# Altium PCB DM1097_R0M0E0.PcbDoc (part 2 of 7) (continued)
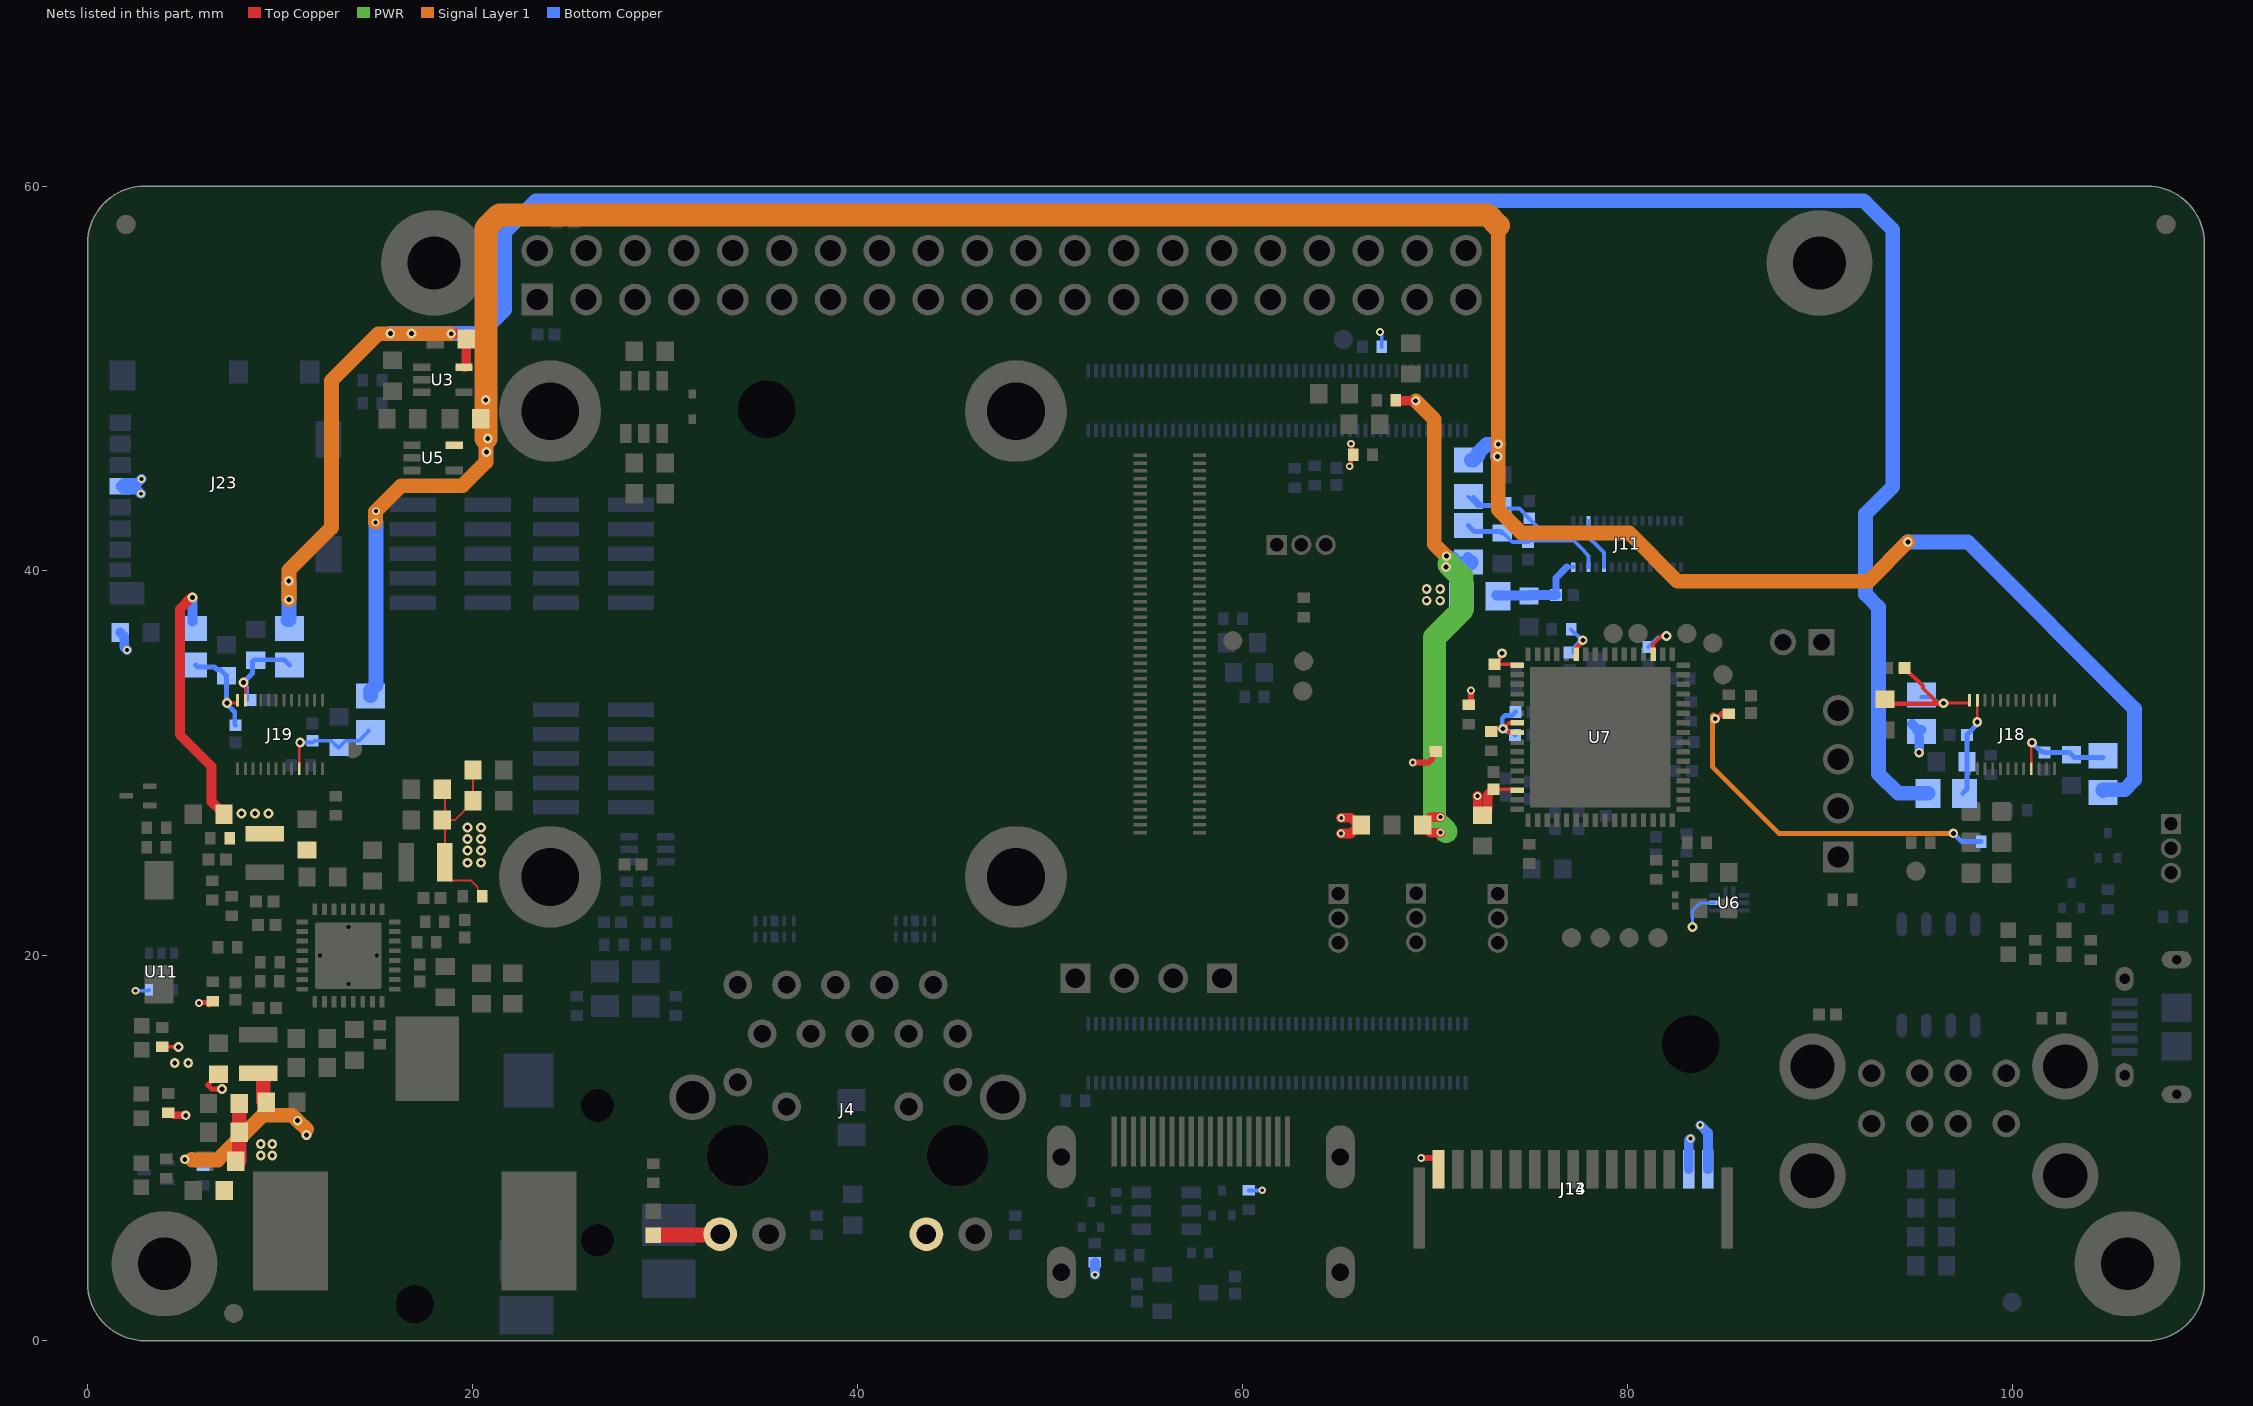
[diagram p6: the nets of this part, all layers, seen from the top]
## Part data (continued)
TP1 TP2 TP3 TP4 TP5 TP6 TP7 TP8 TP9 TP10 TP11 TP12 TP13 TP14 TP15: library part TEST_POINT
U1: "LOAD SWITCH SC59", Case/Package=TO-236-3, Current=200mA, Manufacturer 1=Diodes, Max Operating Temperature=85°C, Max Supply Voltage=5.2V, Min Operating Temperature=-40°C, Min Supply Voltage=2.7V, On-State Resistance=350mR, Package Quantity=3000, Supplier Part Number 1=AP2331W-7DICT-ND, ComponentLink1Description=https://datasheet.ciiva.com/18567/ap2331-18567929.pdf?src-supplier=Digi-Key, ComponentLink1URL=https://datasheet.ciiva.com/18567/ap2331-18567929.pdf?src-supplier=Digi-Key, ComponentLink2Description=https://datasheet.ciiva.com/18567/ap2331-18567928.pdf?src-supplier=Digi-Key, ComponentLink2URL=https://datasheet.ciiva.com/18567/ap2331-18567928.pdf?src-supplier=Digi-Key, ComponentLink3Description=https://datasheet.ciiva.com/18567/ap2331-18567930.pdf?src-supplier=Digi-Key, ComponentLink3URL=https://datasheet.ciiva.com/18567/ap2331-18567930.pdf?src-supplier=Digi-Key, Fault Protection="Over Temperature,Reverse Current", Height=1.3mm, Interface=On/Off, Length=3.1mm, Manufacturer Part Number 1=AP2331W-7, Max Output Current=200mA, Mount="Surface Mount", Number of Outputs=1, Number of Pins=59, Output Configuration="High Side", Output Current=200mA, Packaging="Tape and Reel", Pricing 1="1=0.40000, 10=0.34100, 100=0.23660, 500=0.19110, 1000=0.14105 (USD)", Radiation Hardening=No, REACH SVHC="No SVHC", RoHS=Yes, Stock 1=5467, Supplier 1=Digi-Key, Supplier 2=Mouser, Supplier 3=Arrow, Supplier Part Number 2=621-AP2331W-7, Supplier Part Number 3=AP2331W-7, Turn-On Delay Time=700us, Voltage=5.2V, Width=1.7mm
U2: library part NUP4114, "TVS DIODE 3VWM 9WLCSP", Manufacturer 1=OnSemi, Manufacturer Part Number 1=NUP4114HMR6T1G
U3: "IC REG LINEAR 1.2V 200MA SC70-5", Case/Package=SC, Dropout Voltage=175mV, Manufacturer 1="Texas Instruments", Manufacturer Part Number 1=TLV70012DCKR, Manufacturer Part Number 2=TLV70012DCKT, Max Input Voltage=5.5V, Max Operating Temperature=125°C, Max Output Current=200mA, Max Output Voltage=1.2V, Max Power Dissipation=320mW, Min Current Limit=220mA, Min Input Voltage=2V, Min Operating Temperature=-40°C, Output Voltage Accuracy=2%, Package Quantity=1, Quiescent Current=30uA, Supplier Part Number 1=296-27438-1-ND, Accuracy=2%, ComponentLink1Description=https://datasheet.ciiva.com/26909/tlv70012dckr-26909420.pdf?src-supplier=IIIC, ComponentLink1URL=https://datasheet.ciiva.com/26909/tlv70012dckr-26909420.pdf?src-supplier=IIIC, ComponentLink2Description=https://datasheet.ciiva.com/46448/1836520-46448747.pdf?src-supplier=Element14, ComponentLink2URL=https://datasheet.ciiva.com/46448/1836520-46448747.pdf?src-supplier=Element14, ComponentLink3Description=http://components.arrow.com/part/dataview/48874348S9524109N7713?src-supplier=Arrow, ComponentLink3URL=http://components.arrow.com/part/dataview/48874348S9524109N7713?src-supplier=Arrow, ComponentLink4Description=http://components.arrow.com/part/dataview/0323_02210905?src-supplier=Arrow+Europe, ComponentLink4URL=http://components.arrow.com/part/dataview/0323_02210905?src-supplier=Arrow+Europe, ComponentLink5Description=http://www.ti.com/general/docs/lit/getliterature.tsp?genericPartNumber=TLV700&&fileType=pdf&src-supplier=Avnet, ComponentLink5URL=http://www.ti.com/general/docs/lit/getliterature.tsp?genericPartNumber=TLV700&&fileType=pdf&src-supplier=Avnet, ComponentLink6Description=http://focus.ti.com/lit/ds/symlink/tlv70033.pdf?src-supplier=Avnet, ComponentLink6URL=http://focus.ti.com/lit/ds/symlink/tlv70033.pdf?src-supplier=Avnet, ComponentLink7Description=http://www.ti.com/lit/ds/slvsa00e/slvsa00e.pdf?src-supplier=Digi-Key, ComponentLink7URL=http://www.ti.com/lit/ds/slvsa00e/slvsa00e.pdf?src-supplier=Digi-Key, ComponentLink8Description=http://www.ti.com/litv/slvsa00d?src-supplier=Mouser, ComponentLink8URL=http://www.ti.com/litv/slvsa00d?src-supplier=Mouser, Contact Plating=Gold, Lead Free="Lead Free", Manufacturer 2="Texas Instruments", Min Output Voltage=1.2V, Nominal Output Voltage=1.2V, Number of Outputs=1, Number of Pins=5, Number of Regulators=1, Output Current=200mA, Output Type=Fixed, Output Voltage=1.2V, Packaging="Tape and Reel", Polarity=Positive, Power Dissipation=320mW, Pricing 1="1=0.48000, 10=0.40900, 100=0.30570, 500=0.24020, 1000=0.18561 (USD)", Pricing 2="1=0.43000, 10=0.38000, 25=0.35000, 100=0.30000, 250=0.27000, 500=0.21000, 750=0.16000, 1000=0.14000 (USD)", Radiation Hardening=No, REACH SVHC="No SVHC", RoHS=Yes, Stock 1=8389, Stock 2=250, Supplier 1=Digi-Key, Supplier 2="TI store", Supplier Part Number 2=TLV70012DCKT
U4: "IC REG BCK ADJ 3A/2A TRPL 32VQFN Buck Switching Regulator IC Positive Adjustable 0.6V 3 Output 3A, 2A 32-VFQFN Exposed Pad", Case/Package=VQFN, Current - Output 1=3A, Current - Output 2=2A, Manufacturer=TI, Manufacturer 1="Texas Instruments", Manufacturer PN=TPS65266, Max Input Voltage=6.5V, Max Operating Temperature=85°C, Min Input Voltage=2.7V, Min Operating Temperature=-40°C, Min Output Voltage=600mV, Package=32-VQFN, Package Quantity=250, Quiescent Current=340uA, Supplier Part Number 1=296-38685-1-ND, Switching Frequency=2.4MHz, ComponentLink1Description=http://www.ti.com/general/docs/lit/getliterature.tsp?genericPartNumber=TPS65266&&fileType=pdf&src-supplier=Element14, ComponentLink1URL=http://www.ti.com/general/docs/lit/getliterature.tsp?genericPartNumber=TPS65266&&fileType=pdf&src-supplier=Element14, ComponentLink2Description=http://www.ti.com/general/docs/lit/getliterature.tsp?genericPartNumber=TPS65266&amp;&amp;fileType=pdf&src-supplier=Farnell, ComponentLink2URL=http://www.ti.com/general/docs/lit/getliterature.tsp?genericPartNumber=TPS65266&amp;&amp;fileType=pdf&src-supplier=Farnell, ComponentLink3Description=http://www.ti.com/general/docs/lit/getliterature.tsp?genericPartNumber=TPS65266&&fileType=pdf&src-supplier=Farnell, ComponentLink3URL=http://www.ti.com/general/docs/lit/getliterature.tsp?genericPartNumber=TPS65266&&fileType=pdf&src-supplier=Farnell, ComponentLink4Description=http://www.ti.com/lit/ds/symlink/tps65266.pdf?src-supplier=Digi-Key, ComponentLink4URL=http://www.ti.com/lit/ds/symlink/tps65266.pdf?src-supplier=Digi-Key, ComponentLink5Description=http://www.ti.com/lit/gpn/tps65266?src-supplier=Mouser, ComponentLink5URL=http://www.ti.com/lit/gpn/tps65266?src-supplier=Mouser, ComponentLink6Description=http://www.ti.com/general/docs/lit/getliterature.tsp?genericPartNumber=TPS65266&&fileType=pdf&src-supplier=Avnet, ComponentLink6URL=http://www.ti.com/general/docs/lit/getliterature.tsp?genericPartNumber=TPS65266&&fileType=pdf&src-supplier=Avnet, Lead Free="Lead Free", Manufacturer Part Number 1=TPS65266RHBT, Max Output Voltage=6.5V, Mount="Surface Mount", Number of Outputs=3, Number of Pins=32, Operating Supply Voltage=6.5V, Output Configuration=Positive, Output Current=2A, Output Type=Adjustable, Packaging="Tape and Reel", Pricing 1="1=4.01000, 10=3.59900, 100=2.94850 (USD)", REACH SVHC="No SVHC", RoHS=Yes, Stock 1=4557, Supplier 1=Digi-Key, Supplier 2="TI store", Supplier 3=Mouser, Supplier Part Number 2=TPS65266RHBT, Supplier Part Number 3=595-TPS65266RHBT, Synchronous Rectifier=Yes, Weight=0.002547oz
U5: "IC REG LINEAR 2.8V 200MA SC70-5 Linear Voltage Regulator IC  1 Output  200mA SC-70-5", Case/Package=SC, Dropout Voltage=175mV, Manufacturer 1="Texas Instruments", Manufacturer Part Number 1=TLV70028DCKT, Manufacturer Part Number 2=TLV70028DCKR, Max Input Voltage=5.5V, Max Operating Temperature=125°C, Max Output Current=200mA, Max Output Voltage=2.8V, Max Power Dissipation=320mW, Min Current Limit=220mA, Min Input Voltage=2V, Min Operating Temperature=-40°C, Nominal Supply Current=31uA, Output Voltage Accuracy=2%, Package Quantity=1, Quiescent Current=30uA, Supplier Part Number 1=296-25271-1-ND, Accuracy=2%, ComponentLink1Description=https://datasheet.ciiva.com/14149/tlv700-eng-ds-14149840.pdf?src-supplier=Distrelec, ComponentLink1URL=https://datasheet.ciiva.com/14149/tlv700-eng-ds-14149840.pdf?src-supplier=Distrelec, ComponentLink2Description=https://datasheet.ciiva.com/22700/1882059-22700172.pdf?src-supplier=Element14, ComponentLink2URL=https://datasheet.ciiva.com/22700/1882059-22700172.pdf?src-supplier=Element14, ComponentLink3Description=http://components.arrow.com/part/dataview/0323_00585634?src-supplier=Arrow+Europe, ComponentLink3URL=http://components.arrow.com/part/dataview/0323_00585634?src-supplier=Arrow+Europe, ComponentLink4Description=http://focus.ti.com/lit/ds/symlink/tlv70033.pdf?src-supplier=Avnet+Europe, ComponentLink4URL=http://focus.ti.com/lit/ds/symlink/tlv70033.pdf?src-supplier=Avnet+Europe, ComponentLink5Description=http://www.ti.com/lit/ds/slvsa00d/slvsa00d.pdf?src-supplier=Digi-Key, ComponentLink5URL=http://www.ti.com/lit/ds/slvsa00d/slvsa00d.pdf?src-supplier=Digi-Key, ComponentLink6Description=http://www.ti.com/lit/pdf/slyy050?src-supplier=Digi-Key, ComponentLink6URL=http://www.ti.com/lit/pdf/slyy050?src-supplier=Digi-Key, ComponentLink7Description=http://www.ti.com/general/docs/lit/getliterature.tsp?genericPartNumber=TLV700&&fileType=pdf&src-supplier=Avnet+Asia, ComponentLink7URL=http://www.ti.com/general/docs/lit/getliterature.tsp?genericPartNumber=TLV700&&fileType=pdf&src-supplier=Avnet+Asia, ComponentLink8Description=http://www.ti.com/general/docs/lit/getliterature.tsp?genericPartNumber=TLV700&&fileType=pdf&src-supplier=Avnet, ComponentLink8URL=http://www.ti.com/general/docs/lit/getliterature.tsp?genericPartNumber=TLV700&&fileType=pdf&src-supplier=Avnet, ComponentLink9Description=http://components.arrow.com/part/dataview/48329233S8322732N7713?src-supplier=Arrow, ComponentLink9URL=http://components.arrow.com/part/dataview/48329233S8322732N7713?src-supplier=Arrow, ComponentLink10Description=http://www.ti.com/litv/slvsa00d?src-supplier=Mouser, ComponentLink10URL=http://www.ti.com/litv/slvsa00d?src-supplier=Mouser, ComponentLink11Description=http://www.ti.com/lit/ds/slvsa00e/slvsa00e.pdf?src-supplier=Digi-Key, ComponentLink11URL=http://www.ti.com/lit/ds/slvsa00e/slvsa00e.pdf?src-supplier=Digi-Key, Contact Plating=Gold, Height=1mm, Lead Free="Lead Free", Length=2.15mm, Manufacturer 2="Texas Instruments", Max Supply Voltage=5.5V, Min Output Voltage=2.8V, Min Supply Voltage=2V, Nominal Output Voltage=2.8V, Number of Outputs=1, Number of Pins=5, Number of Regulators=1, Output Current=200mA, Output Type=Fixed, Output Voltage=2.8V, Packaging="Tape and Reel", Polarity=Positive, Power Dissipation=320mW, Power Rating=320mW, Pricing 1="1=0.55000, 10=0.46700, 100=0.34900 (USD)", Pricing 2="1=0.48000, 10=0.40900, 100=0.30570, 500=0.24020, 1000=0.18561 (USD)", Radiation Hardening=No, REACH SVHC="No SVHC", RoHS=Yes, Stock 1=832, Stock 2=30013, Supplier 1=Digi-Key, Supplier 2=Digi-Key, Supplier Part Number 2=296-39279-1-ND, Termination=SMD/SMT, Width=1.4mm
U6: library part FSUSB42UMX, "IC USB SWITCH DPDT 10UMLP", Manufacturer 1="ON Semiconductor / Fairchild", Max Operating Temperature=85°C, Max Supply Voltage=4.3V, Min Operating Temperature=-40°C, Min Supply Voltage=3V, Nominal Supply Current=1uA, On-State Resistance=6.5R, Output Current=100mA, Package Quantity=1, Supplier Part Number 1=FSUSB42UMXCT-ND, Bandwidth=720MHz, ComponentLink1Description=https://datasheet.ciiva.com/15108/getdatasheetpartid-189033-15108996.pdf?src-supplier=Verical, ComponentLink1URL=https://datasheet.ciiva.com/15108/getdatasheetpartid-189033-15108996.pdf?src-supplier=Verical, ComponentLink2Description=https://datasheet.ciiva.com/1504/1815547-1504946.pdf?src-supplier=Element14, ComponentLink2URL=https://datasheet.ciiva.com/1504/1815547-1504946.pdf?src-supplier=Element14, ComponentLink3Description=https://datasheet.ciiva.com/26074/fsusb42-26074741.pdf?src-supplier=Avnet+Europe, ComponentLink3URL=https://datasheet.ciiva.com/26074/fsusb42-26074741.pdf?src-supplier=Avnet+Europe, ComponentLink4Description=https://datasheet.ciiva.com/1561/fsusb42-1561415.pdf?src-supplier=Farnell, ComponentLink4URL=https://datasheet.ciiva.com/1561/fsusb42-1561415.pdf?src-supplier=Farnell, ComponentLink5Description=https://datasheet.ciiva.com/3233/fsusb42-3233259.pdf?src-supplier=Avnet, ComponentLink5URL=https://datasheet.ciiva.com/3233/fsusb42-3233259.pdf?src-supplier=Avnet, ComponentLink6Description=https://datasheet.ciiva.com/6638/fsusb42-6638604.pdf?src-supplier=Digi-Key, ComponentLink6URL=https://datasheet.ciiva.com/6638/fsusb42-6638604.pdf?src-supplier=Digi-Key, ComponentLink7Description=https://datasheet.ciiva.com/6638/fsusb42-6638607.pdf?src-supplier=Digi-Key, ComponentLink7URL=https://datasheet.ciiva.com/6638/fsusb42-6638607.pdf?src-supplier=Digi-Key, Data Rate=480Mbps, Height=0.5mm, Lead Free="Lead Free", Length=1.4mm, Manufacturer Part Number 1=FSUSB42UMX, Mount="Surface Mount", Number of Channels=1, Number of Inputs=2, Number of Outputs=2, Number of Pins=10, Number of Ports=2, Operating Supply Voltage=4.3V, Packaging="Tape and Reel", Pricing 1="1=0.59000, 10=0.50200, 100=0.34810, 500=0.28120, 1000=0.20755 (USD)", Propagation Delay=0.25ns, Radiation Hardening=No, REACH SVHC="No SVHC", RoHS=Yes, Stock 1=31151, Supplier 1=Digi-Key, Supplier 2=Mouser, Supplier 3=Arrow, Supplier 4=Farnell, Supplier Part Number 2=512-FSUSB42UMX, Supplier Part Number 3=FSUSB42UMX, Supplier Part Number 4=1495467, Supply Type=Single, Termination=SMD/SMT, Throw Configuration=DPDT, Turn-Off Delay Time=25ns, Turn-On Delay Time=30ns, Weight=18.08g, Width=1.8mm
U7: "IC USB 2.0 ETHER CTRLR 64QFN Ethernet Bridge, USB to Ethernet USB 2.0, 10/100 Base-T/TX PHY USB Interface 64-QFN (9x9)", Case/Package=QFN, Manufacturer 1=Microchip, Max Operating Temperature=70°C, Max Power Dissipation=951mW, Max Supply Voltage=3.6V, Min Operating Temperature=0°C, Min Supply Voltage=3V, Operating Supply Current=288mA, Operating Supply Voltage=3.3V, Package Quantity=260, Supplier Part Number 1=638-1087-ND, ComponentLink1Description="Manufacturer URL", ComponentLink1URL=www.microchip.com/, ComponentLink2Description=Datasheet, ComponentLink2URL=http://ww1.microchip.com/downloads/en/DeviceDoc/9514.pdf, ComponentLink3Description="Package Specification", ComponentLink3URL=http://ww1.microchip.com/downloads/en/DeviceDoc/9514.pdf, ComponentLink4Description=https://datasheet.ciiva.com/30478/0900766b811a553b-30478372.pdf?src-supplier=RSComponents, ComponentLink4URL=https://datasheet.ciiva.com/30478/0900766b811a553b-30478372.pdf?src-supplier=RSComponents, ComponentLink5Description=https://datasheet.ciiva.com/16372/lan9514-jzx-16372060.pdf?src-supplier=Future+Electronics, ComponentLink5URL=https://datasheet.ciiva.com/16372/lan9514-jzx-16372060.pdf?src-supplier=Future+Electronics, ComponentLink6Description=https://datasheet.ciiva.com/22656/1686386-22656488.pdf?src-supplier=Element14, ComponentLink6URL=https://datasheet.ciiva.com/22656/1686386-22656488.pdf?src-supplier=Element14, ComponentLink7Description=https://datasheet.ciiva.com/29305/651385-da-01-en-ic-e-ctrlr-lan9514-jzx-qfn-64-9x9-mcp-29305397.pdf?src-supplier=Conrad, ComponentLink7URL=https://datasheet.ciiva.com/29305/651385-da-01-en-ic-e-ctrlr-lan9514-jzx-qfn-64-9x9-mcp-29305397.pdf?src-supplier=Conrad, Contact Plating=Tin,Matte, Data Rate=1.5Mbps, Height=0.95mm, Interface=USB, Lead Free="Lead Free", Length=9.1mm, Manufacturer Part Number 1=LAN9514-JZX, Number of Pins=64, Number of Ports=5, Packaging=Tray, Pricing 1="1=5.71000, 25=4.75880, 100=4.32600 (USD)", Radiation Hardening=No, REACH SVHC="No SVHC", RoHS=Yes, Stock 1=4064, Supplier 1=Digi-Key, Supplier 2=Mouser, Supplier Part Number 2=886-LAN9514-JZX, Weight=0.007277oz, Width=9.1mm
U8: "IC PW DIST SW DUAL 8SOIC Power Switch/Driver 1:2 N-Channel 500mA 8-SOIC", Case/Package=SOIC, Current Rating=1.25A, Drain to Source Resistance=140mR, Manufacturer=Micrel, Manufacturer 1="Microchip Micrel", Maximum Operating Temperature=+85C, Max Input Voltage=5.5V, Max Operating Temperature=85°C, Max Output Current=500mA, Minimum Operating Temperature=-40C, Min Input Voltage=2.7V, Min Operating Temperature=-40°C, Nominal Supply Current=5uA, On-State Resistance=90mR, On Resistance (Max)=140mOhms, Operating Temperature Range=-40Cto+85C, Package / Case=SOIC-8, Package Description="8-Pin Small Outline Integrated Circuit, Body 4.89 x 3.9 mm, Pitch 1.27 mm", Package Quantity=95, Supplier Part Number 1=576-2137-ND, Supply Current=20uA, Brand=Micrel, ComponentLink1Description=https://datasheet.ciiva.com/15108/getdatasheetpartid-144496-15108418.pdf?src-supplier=Verical, ComponentLink1URL=https://datasheet.ciiva.com/15108/getdatasheetpartid-144496-15108418.pdf?src-supplier=Verical, ComponentLink2Description=https://datasheet.ciiva.com/1962/mic2026-1962595.pdf?src-supplier=Digi-Key, ComponentLink2URL=https://datasheet.ciiva.com/1962/mic2026-1962595.pdf?src-supplier=Digi-Key, ComponentLink3Description=https://datasheet.ciiva.com/1512/29485-1512781.pdf?src-supplier=Element14, ComponentLink3URL=https://datasheet.ciiva.com/1512/29485-1512781.pdf?src-supplier=Element14, Datasheet URL=http://ww1.microchip.com/downloads/en/DeviceDoc/mic2026.pdf, Datasheet Version=06/2010, Factory Pack Quantity=95, Fault Protection="Over Temperature", Height=1.63mm, Interface=On/Off, Lead Free="Lead Free", Length=5mm, Manufacturer Part Number 1=MIC2026-1YM, Manufacturer URL=http://www.microchip.com/, Max Supply Voltage=5.5V, Min Supply Voltage=2.7V, Mount="Surface Mount", Mounting Style=SMD/SMT, Mounting Technology=SurfaceMount, Number of Channels=2, Number of Outputs=2, Number of Pins=8, Number of Switches=Dual, Off Time (Max)=100us, Off Time - Max=100us, On Resistance - Max=140mOhms, On Time (Max)=5ms, On Time - Max=5ms, Output Configuration="High Side", Package Reference=SOIC-8, Packaging=Tube, Pricing 1="1=1.03000, 25=0.86520, 100=0.78280 (USD)", Product Category=USBSwitchICs, Radiation Hardening=No, REACH SVHC="No SVHC", RoHS=Details, Series=MIC2026, Stock 1=3907, Supplier 1=Digi-Key, Supplier 2=Mouser, Supplier Part Number 2=998-MIC2026-1YM, Supply Voltage - Max=5.5V, Supply Voltage - Min=2.7V, Switch Configuration=USBSwitch, Turn-Off Delay Time=100us, Turn-On Delay Time=5ms, Width=3.99mm
U9: "IC BUF NON-INVERT 5.5V SC70-6 Buffer, Non-Inverting 2 Element 1 Bit per Element Push-Pull Output SC-88 (SC-70-6)", Case/Package=SC, High Level Output Current=-32mA, Low Level Output Current=32mA, Manufacturer 1="ON Semiconductor / Fairchild", Max Operating Temperature=125°C, Max Power Dissipation=180mW, Max Supply Voltage=5.5V, Min Operating Temperature=-40°C, Min Supply Voltage=1.65V, Package Quantity=3000, Quiescent Current=1uA, Supplier Part Number 1=NC7WZ16P6XCT-ND, ComponentLink1Description=https://datasheet.ciiva.com/5701/1725615-5701889.pdf?src-supplier=Farnell, ComponentLink1URL=https://datasheet.ciiva.com/5701/1725615-5701889.pdf?src-supplier=Farnell, ComponentLink2Description=https://datasheet.ciiva.com/15094/getdatasheetpartid-92041-15094657.pdf?src-supplier=Verical, ComponentLink2URL=https://datasheet.ciiva.com/15094/getdatasheetpartid-92041-15094657.pdf?src-supplier=Verical, ComponentLink3Description=https://datasheet.ciiva.com/27051/1028128-27051265.pdf?src-supplier=Jameco, ComponentLink3URL=https://datasheet.ciiva.com/27051/1028128-27051265.pdf?src-supplier=Jameco, ComponentLink4Description=https://datasheet.ciiva.com/8260/nc7wz16-8260101.pdf?src-supplier=Avnet, ComponentLink4URL=https://datasheet.ciiva.com/8260/nc7wz16-8260101.pdf?src-supplier=Avnet, ComponentLink5Description=https://datasheet.ciiva.com/17332/nc7wz16-17332853.pdf?src-supplier=Future+Electronics, ComponentLink5URL=https://datasheet.ciiva.com/17332/nc7wz16-17332853.pdf?src-supplier=Future+Electronics, ComponentLink6Description=https://datasheet.ciiva.com/8260/nc7wz16-8260105.pdf?src-supplier=Avnet, ComponentLink6URL=https://datasheet.ciiva.com/8260/nc7wz16-8260105.pdf?src-supplier=Avnet, ComponentLink7Description=https://datasheet.ciiva.com/26096/nc7wz16-26096508.pdf?src-supplier=Avnet+Europe, ComponentLink7URL=https://datasheet.ciiva.com/26096/nc7wz16-26096508.pdf?src-supplier=Avnet+Europe, ComponentLink8Description=https://datasheet.ciiva.com/1832/nc7wz16-1832237.pdf?src-supplier=Digi-Key, ComponentLink8URL=https://datasheet.ciiva.com/1832/nc7wz16-1832237.pdf?src-supplier=Digi-Key, ComponentLink9Description=https://datasheet.ciiva.com/7971/1725615-7971037.pdf?src-supplier=Element14, ComponentLink9URL=https://datasheet.ciiva.com/7971/1725615-7971037.pdf?src-supplier=Element14, ComponentLink10Description=https://datasheet.ciiva.com/1832/nc7wz16-1832238.pdf?src-supplier=Digi-Key, ComponentLink10URL=https://datasheet.ciiva.com/1832/nc7wz16-1832238.pdf?src-supplier=Digi-Key, ComponentLink11Description=https://datasheet.ciiva.com/1832/nc7wz16-1832239.pdf?src-supplier=Digi-Key, ComponentLink11URL=https://datasheet.ciiva.com/1832/nc7wz16-1832239.pdf?src-supplier=Digi-Key, Contact Plating=Tin,Matte, Height=1mm, Lead Free="Lead Free", Length=2mm, Logic Function=Buffer,Inverting, Manufacturer Part Number 1=NC7WZ16P6X, Mount="Surface Mount", Number of Bits=2, Number of Bits per Element=1, Number of Channels=2, Number of Circuits=2, Number of Elements=2, Number of Input Lines=2, Number of Inputs=2, Number of Output Lines=2, Number of Outputs=2, Number of Pins=6, Packaging="Tape and Reel", Polarity=Non-Inverting, Pricing 1="1=0.44000, 10=0.32600, 100=0.18480, 500=0.12238, 1000=0.09382 (USD)", Propagation Delay=3.8ns, Radiation Hardening=No, REACH SVHC="No SVHC", RoHS=Yes, Stock 1=89814, Supplier 1=Digi-Key, Termination=SMD/SMT, Turn-On Delay Time=10.6ns, Weight=0.028g, Width=1.25mm
U10: "Padauk 8bit OTP Type IO Controller - (SOT-23-6)"
U11: "SINGLE BUFFER/DRIVER WITH OPEN DRAIN OUTPUT", Manufacturer 1="Diodes Incorporated", ComponentLink1Description=https://datasheet.ciiva.com/5701/1725615-5701889.pdf?src-supplier=Farnell, ComponentLink1URL=https://datasheet.ciiva.com/5701/1725615-5701889.pdf?src-supplier=Farnell, ComponentLink2Description=https://datasheet.ciiva.com/15094/getdatasheetpartid-92041-15094657.pdf?src-supplier=Verical, ComponentLink2URL=https://datasheet.ciiva.com/15094/getdatasheetpartid-92041-15094657.pdf?src-supplier=Verical, ComponentLink3Description=https://datasheet.ciiva.com/27051/1028128-27051265.pdf?src-supplier=Jameco, ComponentLink3URL=https://datasheet.ciiva.com/27051/1028128-27051265.pdf?src-supplier=Jameco, ComponentLink4Description=https://datasheet.ciiva.com/8260/nc7wz16-8260101.pdf?src-supplier=Avnet, ComponentLink4URL=https://datasheet.ciiva.com/8260/nc7wz16-8260101.pdf?src-supplier=Avnet, ComponentLink5Description=https://datasheet.ciiva.com/17332/nc7wz16-17332853.pdf?src-supplier=Future+Electronics, ComponentLink5URL=https://datasheet.ciiva.com/17332/nc7wz16-17332853.pdf?src-supplier=Future+Electronics, ComponentLink6Description=https://datasheet.ciiva.com/8260/nc7wz16-8260105.pdf?src-supplier=Avnet, ComponentLink6URL=https://datasheet.ciiva.com/8260/nc7wz16-8260105.pdf?src-supplier=Avnet, ComponentLink7Description=https://datasheet.ciiva.com/26096/nc7wz16-26096508.pdf?src-supplier=Avnet+Europe, ComponentLink7URL=https://datasheet.ciiva.com/26096/nc7wz16-26096508.pdf?src-supplier=Avnet+Europe, Manufacturer Part Number 1=74LVC1G07SE-7, Supplier 1=Digi-Key
X1: library part 8Z-25.000MAAJ-T, "CRYSTAL 25.0000MHZ 18PF SMD", Case/Package=SMD/SMT, ESR (Equivalent Series Resistance)=100R, Frequency=25MHz, Frequency Stability=30ppm, Load Capacitance=18pF, Manufacturer 1=TXC, Max Operating Temperature=70°C, Min Operating Temperature=-10°C, Package Quantity=3000, Supplier Part Number 1=887-1145-1-ND, ComponentLink1Description=https://datasheet.ciiva.com/26833/getdatasheetpartid-743023-26833236.pdf?src-supplier=Verical, ComponentLink1URL=https://datasheet.ciiva.com/26833/getdatasheetpartid-743023-26833236.pdf?src-supplier=Verical, ComponentLink2Description=https://datasheet.ciiva.com/22698/1041872-22698773.pdf?src-supplier=Element14, ComponentLink2URL=https://datasheet.ciiva.com/22698/1041872-22698773.pdf?src-supplier=Element14, ComponentLink3Description=https://datasheet.ciiva.com/1356/number-crystal-basic-1356678.pdf?src-supplier=Element14, ComponentLink3URL=https://datasheet.ciiva.com/1356/number-crystal-basic-1356678.pdf?src-supplier=Element14, ComponentLink4Description=https://datasheet.ciiva.com/859/8z-859017.pdf?src-supplier=Digi-Key, ComponentLink4URL=https://datasheet.ciiva.com/859/8z-859017.pdf?src-supplier=Digi-Key, ComponentLink5Description=https://datasheet.ciiva.com/859/8z-859018.pdf?src-supplier=Digi-Key, ComponentLink5URL=https://datasheet.ciiva.com/859/8z-859018.pdf?src-supplier=Digi-Key, ComponentLink6Description=https://datasheet.ciiva.com/859/8z-859019.pdf?src-supplier=Digi-Key, ComponentLink6URL=https://datasheet.ciiva.com/859/8z-859019.pdf?src-supplier=Digi-Key, Depth=2.05mm, Frequency Tolerance=30ppm, Height=0.022inch, Lead Free="Lead Free", Length=2.5mm, Manufacturer Part Number 1=8Z-25.000MAAJ-T, Mount="Surface Mount", Number of Pins=4, Packaging="Tape and Reel", Pricing 1="1=1.36000, 10=1.30100, 50=1.27060, 100=1.08900, 500=1.05876, 1000=0.89238 (USD)", REACH SVHC="No SVHC", RoHS=Yes, Stock 1=7343, Supplier 1=Digi-Key, Supplier 2=Mouser, Supplier Part Number 2=717-8Z-25.000MAAJ-T, Termination=SMD/SMT, Tolerance=30ppm, Width=2mm

## Via types
v1: diameter 0.406, hole 0.203, Top Copper to Bottom Copper, tented both sides, 442 vias
v2: diameter 0.508, hole 0.254, Top Copper to Bottom Copper, tented both sides, 361 vias

## Nets (pads, with @x,y where several pads share a name; then routed paths per layer and width w, separated by ;. In a path a pad name is that pad's centre, name@x,y a point inside that pad or via, vN(x,y) a via of type N, cw(c..) or ccw(c..) an arc to the next point about the centre after c; other vN are vias at no path point)
1V2: C22.2 FB8.1 FB9.1 U3.5 | length 140
  Top Copper w0.5: v2(18.898,52.324) 18.899,52.322 19.394,52.322 19.422,52.295 19.472,52.295 19.672,52.095 C22.2@19.672,52.045 19.672,50.636 19.622,50.586 U3.5@19.566,50.586
  Signal Layer 1 w0.762: v2(10.465,38.506) 10.465,40.03 12.675,42.24 12.675,49.886 15.113,52.324 v2(18.898,52.324)
  Bottom Copper w0.762: FB9.1@10.4,37.457 10.465,37.457 v2(10.465,38.506) v2@10.465,39.408 ; v2(15.735,52.337) v2(16.828,52.337) 20.434,52.337 21.666,53.569 21.666,57.609 23.289,59.233 92.304,59.233 93.802,57.734 93.802,44.375 92.389,42.962 92.389,38.796 93.061,38.124 93.061,29.462 94.082,28.441 FB8.1@95.636,28.441
  other v2: 10.455,39.472
1V2_L: C29.2 C31.2 FB8.2 J18.2 | length 5
  Top Copper w0.152: v2(98.194,32.149) 98.194,33.134 J18.2@98.2,33.14
  Bottom Copper w0.254: FB8.2@97.441,28.441 97.66,28.659 C31.2@97.66,30.079 C29.2@97.66,31.484 98.146,31.97 98.146,32.101 v2(98.194,32.149)
1V2_R: C36.2 C37.2 FB9.2 J19.2 | length 5.5
  Top Copper w0.152: J19.2@8.2,33.14 v2@8.2,34.2
  Top Copper w0.254: v2(8.1,34.2) v2@8.2,34.2
  Bottom Copper w0.254: C36.2@8.268,33.29 8.268,33.963 8.1,34.131 v2(8.1,34.2) 8.574,34.674 8.574,35.284 8.647,35.357 8.672,35.382 10.226,35.382 FB9.2@10.49,35.118
1V05: C48.1 C49.1 C51.1 C52.1 FB3.1 L2.2 R8.2 | length 10.7
  Top Copper w0.102: C52.1@18.428,27.054 C52.1@18.571,27.054 ; C48.1@18.428,28.654 18.571,28.511 C52.1@18.571,27.054 ; C51.1@20.028,29.654 C49.1@20.028,28.054 20.028,28.004 19.078,27.054 C52.1@18.571,27.054 ; R8.2@20.5,23.1 20.276,23.324 20.276,23.568 19.939,23.905 18.92,23.905 18.571,24.254 L2.2@18.571,24.854 C52.1@18.571,27.054
  Bottom Copper w0.762: FB3.1@71.322,38.822 FB3.1@71.409,38.822
  other v2: 19.749,24.833 20.449,24.833 19.749,25.472 20.449,25.472 19.749,26.072 20.449,26.072 19.749,26.672 20.449,26.672 69.584,38.454 70.284,38.454 69.584,39.054 70.284,39.054
1V05_IMX378: C12.2 C13.2 FB3.2 J11.15 | length 5.1
  Bottom Copper w0.203: 76.87,40.2 J11.15@77.2,40.2
  Bottom Copper w0.381: C12.2@76.301,38.746 76.301,39.631 76.87,40.2
  Bottom Copper w0.508: FB3.2@73.195,38.746 73.218,38.723 74.877,38.723 74.9,38.746 C12.2@76.301,38.746
1V8: C54.1 C55.1 FB2.1 FB6.1 FB7.1 L3.2 R10.2 R27.2 R31.2 R63.1 R77.2 | length 56.4
  Top Copper w0.5: R63.1@67.988,48.92 R63.1@67.988,48.87 68.013,48.844 v2(69.012,48.844)
  Top Copper w0.508: v2(5.448,38.613) 5.389,38.613 4.8,38.024 4.8,31.481 6.448,29.833 6.448,28.004 6.849,27.604 6.899,27.604 7.095,27.408 C55.1@7.095,27.358 ; v1@70.307,26.391 69.786,26.391 R31.2@69.38,26.797 69.786,27.203 v1(70.307,27.203)
  PWR w1.2: 70.594,26.469 69.987,27.077 69.987,36.538 71.407,37.959 71.407,39.682 v2@70.734,40.356
  Signal Layer 1 w0.254: v2(5.055,9.423) 5.336,9.423 5.413,9.5
  Signal Layer 1 w0.508: v2(10.918,11.435) 10.928,11.435 11.382,10.981 v2(11.382,10.695)
  Signal Layer 1 w0.762: 5.413,9.423 5.443,9.393 6.777,9.393 9.104,11.72 10.633,11.72 v2(10.918,11.435) ; v2@10.928,11.435 11.382,10.981 ; v2(69.012,48.844) 69.981,47.875 69.981,41.398 v2(70.612,40.767) 70.612,40.234 v2(70.587,40.208)
  Bottom Copper w0.102: v2(5.055,9.423) 5.676,9.423 5.744,9.356 5.744,9.306 5.968,9.081 R77.2@6.018,9.081 R77.2@6.1,9
  Bottom Copper w0.508: FB7.1@5.448,37.374 v2(5.448,38.613) ; v2(10.918,11.435) 10.947,11.406 10.947,11.405 11.382,10.97 v2(11.382,10.695) ; v1(52.349,3.428) R27.2@52.349,4.072 ; FB2.1@71.72,40.725 FB2.1@71.9,40.545 ; FB6.1@94.804,32.046 95.072,31.778 FB6.1@95.072,31.674 ; v2(95.174,30.556) FB6.1@95.174,31.318 ; FB6.1@95.254,31.699 FB6.1@95.3,31.745
  Bottom Copper w0.762: v2@70.557,40.239 70.946,40.628 ; v2(70.612,40.767) 71.001,40.378 71.828,40.378 FB2.1@71.9,40.45
  other v1: 70.297,26.411
  other v2: 8,27.4 8.7,27.4 9.4,27.4
1V8_IMX378: C14.2 C15.2 FB2.2 J11.13 | length 7.4
  Bottom Copper w0.203: C15.2@73.512,41.969 73.562,41.969 73.91,41.62 73.91,41.614 74.029,41.495 C14.2@74.855,41.495 ; C14.2@74.999,41.574 77.226,41.574 77.8,41 77.8,40.975 78,40.775 J11.13@78,40.2
  Bottom Copper w0.254: FB2.2@71.755,42.352 72.058,42.049 73.431,42.049 C15.2@73.512,41.969
1V8_L: C32.2 C33.2 FB6.2 J18.1 | length 8.3
  Top Copper w0.152: v2@96.672,33.14 J18.1@97.799,33.14
  Top Copper w0.203: C32.2@94.409,34.966 95.365,34.01 95.365,33.904 96.112,33.157 ; v2(96.445,33.126) 96.459,33.14 v2@96.672,33.14
  Top Copper w0.254: C33.2@93.396,33.337 93.635,33.098 96.417,33.098 v2(96.445,33.126)
  Bottom Copper w0.203: FB6.2@95.3,33.455 95.309,33.446 95.835,33.446 96.156,33.126 v2(96.445,33.126)
1V8_R: C38.2 C40.2 FB7.2 J19.1 | length 5.2
  Top Copper w0.152: v2(7.25,33.14) J19.1@7.8,33.14
  Bottom Copper w0.254: FB7.2@5.613,35.118 5.723,35.009 6.596,35.009 6.725,34.88 6.895,34.88 C40.2@7.218,34.557 v2@7.218,33.103 ; v2(7.25,33.14) 7.218,33.108 v2@7.218,33.103 ; C38.2@7.685,31.979 7.651,32.012 7.651,32.67 v2@7.218,33.103
2V8: C25.2 FB1.1 FB4.1 FB5.1 U5.5 | length 143.3
  Signal Layer 1 w0.762: v1(14.967,42.524) 14.967,43.085 v1(14.986,43.104) 16.307,44.425 19.482,44.425 20.701,45.644 v2@20.701,46.888 ; 73.304,57.946 v2(73.304,46.584) 73.304,45.939 73.304,43.18 74.511,41.974 80.102,41.974 82.612,39.463 92.544,39.463 v2(94.586,41.505)
  Signal Layer 1 w1.2: v2@20.701,46.888 20.701,57.793 21.404,58.496 72.754,58.496 73.304,57.946
  Bottom Copper w0.762: FB5.1@14.7,33.508 14.7,33.77 14.986,34.056 v1@14.986,42.524 ; FB1.1@71.9,45.75 72,45.75 72.269,46.019 72.269,46.137 72.715,46.584 v2(73.304,46.584) ; v2(73.268,45.939) 73.268,46.321 ; v2(94.586,41.505) 97.695,41.505 106.363,32.837 106.363,29.141 105.848,28.626 104.73,28.626 FB4.1@104.73,28.591
  other v2: 20.735,46.175 20.798,46.887 20.694,48.874
2V8_IMX378: C16.2 C17.2 FB1.2 J11.11 J11.18 | length 11.4
  Bottom Copper w0.203: FB1.2@71.755,43.856 FB1.2@72.211,43.4 ; FB1.2@72.02,43.856 72.491,43.385 72.855,43.385 73.44,43.385 73.584,43.241 74.4,43.241 74.91,42.731 75.609,42.033 77.714,42.033 ; J11.18@78,42.6 78,42.319 77.714,42.033 ; J11.11@78.8,40.2 78.8,40.946 77.714,42.033
  Bottom Copper w0.254: FB1.2@72.211,43.4 C17.2@73.5,43.4
2V8_L: C34.2 C35.2 FB4.2 J18.16 | length 5.5
  Top Copper w0.152: J18.16@101,29.725 101,31.11 v2(101.035,31.075)
  Bottom Copper w0.254: v2(101.035,31.075) 101.484,30.626 101.621,30.626 C34.2@101.685,30.562 102.984,30.562 C35.2@103.094,30.452 103.245,30.301 FB4.2@104.73,30.301
2V8_R: C44.2 C50.2 FB5.2 J19.16 | length 5.4
  Top Copper w0.152: J19.16@11,29.86 v2@11,30.924
  Top Copper w0.203: v2@11,30.924 11.1,31.024 11.049,31.075 v2(11.049,31.079)
  Bottom Copper w0.203: v2(11.049,31.079) 11.703,31.079 11.8,31.176 12.666,31.176 13.016,30.826 C50.2@13.066,30.826 13.414,31.175 14.107,31.175 14.6,31.668 FB5.2@14.6,31.703
3V3: C30.1 C39.1 C41.1 C42.1 C43.1 C45.1 C56.1 C58.2 C61.2 C62.2 C63.2 C64.2 C87.2 D17.2 J4.15 J4.17 J13.P1 J13.P2 J14.P1 J23.4 L1.2 L4.1 R6.2 R16.2 R26.2 R38.1 R47.1 R49.1 R51.1 R56.2 R57.2 R66.1 R90.2 R100.2 R101.2 U6.9 U7.19 U7.27 U7.33 U7.39 U7.40 U7.46 U11.5 | length 66.7
  Top Copper w0.2: R101.2@3.88,15.273 v2@4.521,15.273 ; v2@4.471,14.375 v2(4.53,14.434) ; v1(65.583,45.441) 65.659,45.517 65.659,45.915 R66.1@65.769,46.025 65.659,46.134 65.698,46.174 65.698,46.57 v1(65.659,46.609)
  Top Copper w0.203: R47.1@72.94,31.656 73.084,31.8 v2(73.544,31.8) ; C63.2@73.05,28.656 74.24,28.656 U7.46@74.29,28.606 ; v2@73.485,35.705 73.427,35.647 73.427,35.477 C56.1@73.1,35.15 74.041,35.15 74.085,35.106 U7.33@74.29,35.106 ; U7.40@74.29,31.606 73.882,31.606 73.688,31.8 v2(73.544,31.8) ; U7.39@74.29,32.106 73.85,32.106 v2(73.544,31.8) ; U7.19@81.35,35.666 81.35,36.189 81.773,36.612 v2(82.047,36.612)
  Top Copper w0.254: v1(5.793,17.549) 5.823,17.578 6.386,17.578 R6.2@6.39,17.574 ; R6.2@6.314,17.448 6.314,17.498 R6.2@6.39,17.574 ; C39.1@6.801,13.85 6.237,13.285 6.438,13.084 v2(6.988,13.084) ; U7.27@77.35,35.666 77.35,35.974 77.615,36.239 77.663,36.239 77.663,36.363 v2(77.7,36.4) ; v2(84.578,32.319) 84.646,32.319 84.945,32.617 R49.1@85.284,32.617 ; R6.2@6.39,17.574 6.415,17.549 R6.2@6.512,17.646 6.462,17.646 R6.2@6.39,17.574
  Top Copper w0.3: v1(68.859,30.048) 69.702,30.048 69.878,30.224 69.878,30.49 R56.2@69.953,30.565 ; v1(69.3,9.5) 70.05,9.5 70.2,9.35 J14.P1@70.2,8.9 ; R56.2@70.028,30.49 70.102,30.564 70.104,30.564 R56.2@70.053,30.615 ; R57.2@71.78,33.037 71.882,33.139 v1(71.882,33.782)
  Top Copper w0.381: R100.2@4.293,11.887 4.47,11.709 v2(5.105,11.709)
  Top Copper w0.5: v1(72.225,28.307) 72.242,28.291 L4.1@72.242,27.505 ; L4.1@72.492,27.305 72.542,27.305 72.742,27.505 72.742,27.555 72.75,27.563 72.75,28.356 C63.2@73.05,28.656
  Top Copper w0.508: v1(65.137,26.363) 65.658,26.363 66.064,26.769 65.658,27.175 v1@65.137,27.175
  Top Copper w0.762: C45.1@7.885,9.331 C41.1@7.885,10.831 C42.1@7.885,12.331 ; L1.2@8.872,13.899 9.112,13.899 9.131,13.88 9.131,12.469 C43.1@9.2,12.4 ; D17.2@29.4,5.475 29.419,5.494 32.824,5.494 J4.15@32.87,5.54
  Signal Layer 1 w0.254: v2(84.578,32.319) 84.578,32.421 84.478,32.52 84.429,32.471 84.429,32.379 84.443,32.364 84.443,31.906 84.429,31.891 84.429,29.82 87.884,26.365 v2(96.952,26.365)
  Bottom Copper w0.152: v2(83.4,21.5) v2(83.4,21.5) 83.401,22.356 83.799,22.754 U6.9@84.541,22.754
  Bottom Copper w0.2: v1(67.155,52.416) 67.251,52.32 R16.2@67.251,51.638
  Bottom Copper w0.203: v1(2.489,18.186) 3.145,18.186 U11.5@3.185,18.227 ; R26.2@60.35,7.815 61.037,7.815 v1(61.039,7.817) ; R51.1@77.09,36.956 v2@77.646,36.4 ; C58.2@77.206,35.765 77.206,35.965 77.256,36.015 77.256,36.054 77.602,36.4 v2@77.646,36.4 ; v2(77.7,36.4) v2@77.646,36.4 ; C61.2@81.1,36.05 81.603,36.553 82.065,36.553 v2@82.067,36.556
  Bottom Copper w0.254: C62.2@74.185,31.466 74.002,31.649 73.764,31.649 73.613,31.8 v2(73.544,31.8) 73.509,31.835 73.509,32.341 73.65,32.481 74.011,32.481 C64.2@74.194,32.664 ; v2(96.952,26.365) 97.386,25.931 R38.1@98.4,25.931
  Bottom Copper w0.5: C87.2@1.7,36.8 1.9,36.6 1.9,36.045 v1(2.052,35.893) ; v1(2.779,44.008) 2.562,44.225 1.875,44.225 J23.4@1.7,44.4 1.875,44.575 2.599,44.575 v1(2.802,44.778) ; J13.P2@83.2,8.9 83.2,10.4 v1(83.3,10.5) ; v1(83.8,11.2) 84.2,10.8 J13.P1@84.2,8.9
  other v1: 65.148,27.155
  other v2: 9,9.624 9.598,9.624 9,10.223 9.598,10.223 5.231,14.426 4.724,15.265 73.504,35.724